# KiCad board Bus_Card.kicad_pcb (continued)
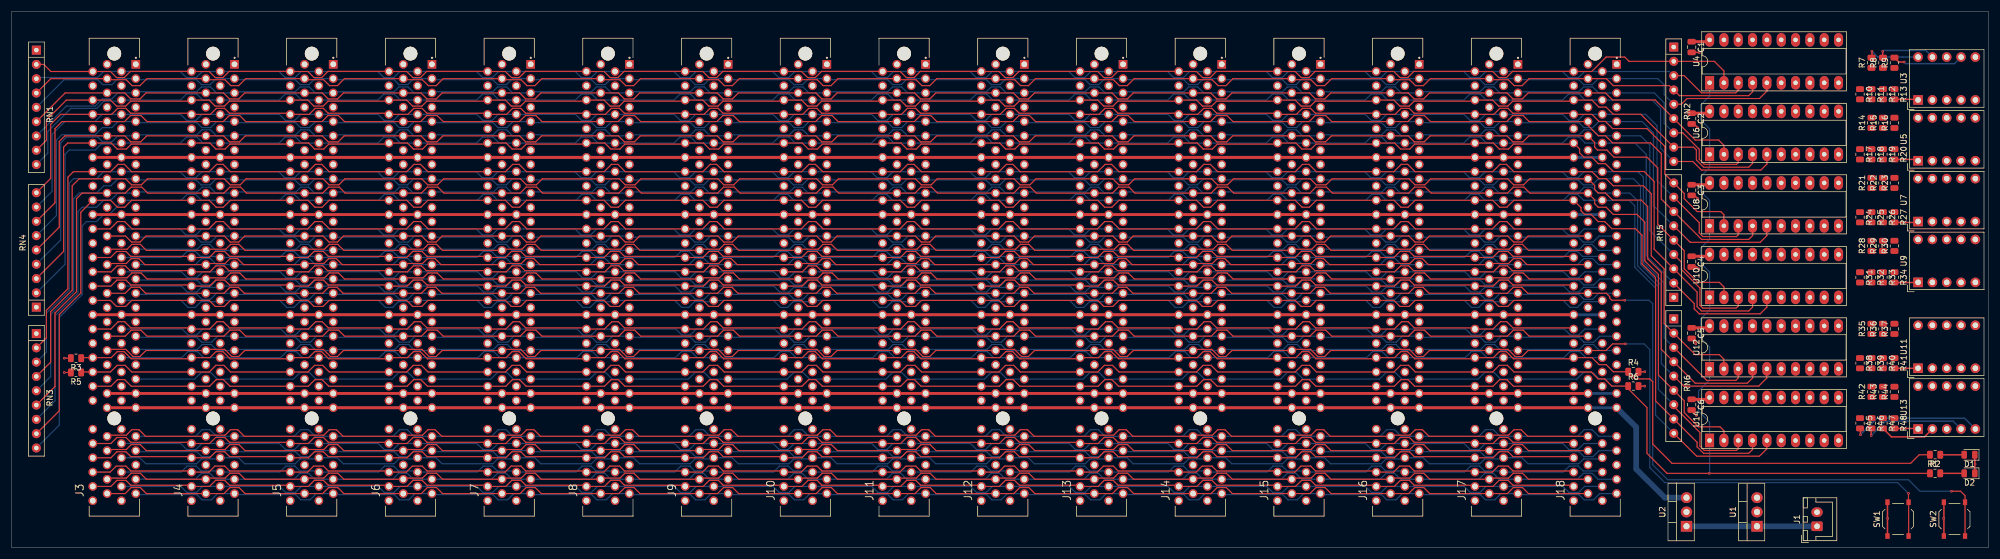
[diagram p0: board, top side]
## Routing (per net, layer and track width the routed paths; a pad name or vN(x,y) marks a point on that pad's centre or on a via; arc(x,y) is an arc through that point) (continued)
/D0: length 370.4
  Top w0.2: RN3.2 6.22,37.27 6.22,42.16 10.03,45.97 10.03,65.79 11.02,66.77 J3.B16 17.59,66.77 18.89,68.07 20.03,68.07 21.33,66.77 J4.B16 35.09,66.77 36.39,68.07 37.53,68.07 38.83,66.77 J5.B16 52.59,66.77 53.89,68.07 55.03,68.07 56.33,66.77 J6.B16 70.09,66.77 71.39,68.07 72.53,68.07 73.83,66.77 J7.B16 87.59,66.77 88.89,68.07 90.03,68.07 91.33,66.77 J8.B16 105.09,66.77 106.39,68.07 107.53,68.07 108.83,66.77 J9.B16 122.59,66.77 123.89,68.07 125.03,68.07 126.33,66.77 J10.B16 140.09,66.77 141.39,68.07 142.53,68.07 143.83,66.77 J11.B16 157.59,66.77 158.89,68.07 160.03,68.07 161.33,66.77 J12.B16 175.09,66.77 176.39,68.07 177.53,68.07 178.83,66.77 J13.B16 192.59,66.77 193.89,68.07 195.03,68.07 196.33,66.77 J14.B16 210.09,66.77 211.39,68.07 212.53,68.07 213.83,66.77 J15.B16 227.59,66.77 228.89,68.07 230.03,68.07 231.33,66.77 J16.B16 245.09,66.77 246.39,68.07 247.53,68.07 248.83,66.77 J17.B16 262.59,66.77 263.89,68.07 265.03,68.07 266.33,66.77 J18.B16 280.19,66.77 281.43,65.53 282.7,65.53 283.97,64.26 289.31,64.26 290.7,62.86 290.7,51.82 292.99,49.53 292.99,39.8 RN6.2 298.5,34.29 302.77,34.29 303.58,33.48 U12.2
/D1: length 375.8
  Top w0.2: RN6.3 300.53,29.72 305.69,29.72 306.12,30.15 U12.3
  Bottom w0.2: RN3.3 6.22,34.73 6.22,41.66 10.29,45.72 10.29,64.77 11.05,65.53 15.11,65.53 16.35,66.77 J3.A16 29.91,66.77 30.97,65.7 32.72,65.7 33.78,66.77 J4.A16 47.41,66.77 48.47,65.7 50.22,65.7 51.28,66.77 J5.A16 64.91,66.77 65.97,65.7 67.72,65.7 68.78,66.77 J6.A16 82.41,66.77 83.47,65.7 85.22,65.7 86.28,66.77 J7.A16 99.91,66.77 100.97,65.7 102.72,65.7 103.78,66.77 J8.A16 117.41,66.77 118.47,65.7 120.22,65.7 121.28,66.77 J9.A16 134.91,66.77 135.97,65.7 137.72,65.7 138.78,66.77 J10.A16 152.41,66.77 153.47,65.7 155.22,65.7 156.28,66.77 J11.A16 169.91,66.77 170.97,65.7 172.72,65.7 173.78,66.77 J12.A16 187.41,66.77 188.47,65.7 190.22,65.7 191.28,66.77 J13.A16 204.91,66.77 205.97,65.7 207.72,65.7 208.78,66.77 J14.A16 222.41,66.77 223.47,65.7 225.21,65.7 226.28,66.77 J15.A16 239.91,66.77 240.97,65.7 242.71,65.7 243.78,66.77 J16.A16 257.41,66.77 258.47,65.7 260.21,65.7 261.28,66.77 J17.A16 274.91,66.77 275.97,65.7 277.71,65.7 278.78,66.77 J18.A16 288.32,66.77 289.31,65.79 289.31,50.67 292.99,46.99 292.99,37.26 RN6.3
/D2: length 379
  Top w0.2: U12.4 308.66,30.15 307.72,29.21 298.5,29.21 RN6.4 292.48,35.23 292.48,48.89 290.07,51.31 290.07,60.58 288.93,61.72 283.85,61.72 282.57,62.99 281.31,62.99 280.67,63.63 280.67,64.32 J18.B17 269.13,65.5 268.06,64.43 266.32,64.43 265.25,65.5 J17.B17 251.63,65.5 250.56,64.43 248.82,64.43 247.75,65.5 J16.B17 234.13,65.5 233.06,64.43 231.32,64.43 230.25,65.5 J15.B17 216.63,65.5 215.56,64.43 213.82,64.43 212.75,65.5 J14.B17 199.13,65.5 198.06,64.43 196.32,64.43 195.25,65.5 J13.B17 181.63,65.5 180.56,64.43 178.82,64.43 177.75,65.5 J12.B17 164.13,65.5 163.06,64.43 161.32,64.43 160.25,65.5 J11.B17 146.63,65.5 145.56,64.43 143.82,64.43 142.75,65.5 J10.B17 129.13,65.5 128.06,64.43 126.32,64.43 125.25,65.5 J9.B17 111.63,65.5 110.56,64.43 108.82,64.43 107.75,65.5 J8.B17 94.13,65.5 93.06,64.43 91.32,64.43 90.25,65.5 J7.B17 76.63,65.5 75.56,64.43 73.82,64.43 72.76,65.5 J6.B17 59.13,65.5 58.06,64.43 56.32,64.43 55.26,65.5 J5.B17 41.63,65.5 40.56,64.43 38.82,64.43 37.76,65.5 J4.B17 24.13,65.5 23.06,64.43 21.32,64.43 20.26,65.5 J3.B17 12.03,65.5 10.8,64.26 10.8,45.72 6.98,41.91 6.98,32.95 RN3.4
/D3: length 385.5
  Top w0.2: U12.5 311.2,30.15 309.75,28.7 296.46,28.7 RN6.5
  Bottom w0.2: RN3.5 6.98,30.41 6.98,41.4 11.05,45.47 11.05,61.98 12.07,62.99 15.11,62.99 16.38,64.26 17.65,64.26 18.89,65.5 J3.A17 22.27,65.29 32.78,65.29 33.64,64.43 35.26,64.43 36.32,65.5 J4.A17 39.77,65.29 50.28,65.29 51.14,64.43 52.76,64.43 53.82,65.5 J5.A17 57.27,65.29 67.78,65.29 68.64,64.43 70.26,64.43 71.32,65.5 J6.A17 74.77,65.29 85.28,65.29 86.14,64.43 87.75,64.43 88.82,65.5 J7.A17 92.27,65.29 102.78,65.29 103.64,64.43 105.25,64.43 106.32,65.5 J8.A17 109.77,65.29 120.28,65.29 121.14,64.43 122.75,64.43 123.82,65.5 J9.A17 127.27,65.29 137.78,65.29 138.64,64.43 140.25,64.43 141.32,65.5 J10.A17 144.77,65.29 155.28,65.29 156.14,64.43 157.75,64.43 158.82,65.5 J11.A17 162.27,65.29 172.78,65.29 173.64,64.43 175.25,64.43 176.32,65.5 J12.A17 179.77,65.29 190.28,65.29 191.14,64.43 192.75,64.43 193.82,65.5 J13.A17 197.27,65.29 207.78,65.29 208.64,64.43 210.25,64.43 211.32,65.5 J14.A17 214.77,65.29 225.28,65.29 226.14,64.43 227.75,64.43 228.82,65.5 J15.A17 232.27,65.29 242.78,65.29 243.64,64.43 245.25,64.43 246.32,65.5 J16.A17 249.77,65.29 260.28,65.29 261.14,64.43 262.75,64.43 263.82,65.5 J17.A17 267.27,65.29 277.78,65.29 278.64,64.43 280.25,64.43 281.32,65.5 J18.A17 287.56,65.5 288.8,64.26 288.8,50.29 292.48,46.61 292.48,32.69 RN6.5
/D4: length 380.6
  Top w0.2: RN3.6 7.75,28.63 7.75,41.66 11.56,45.47 11.56,61.98 12.54,62.96 J3.B19 20.19,62.96 21.26,64.02 23.13,64.02 24.19,62.96 J4.B19 37.69,62.96 38.76,64.02 40.63,64.02 41.69,62.96 J5.B19 55.19,62.96 56.26,64.02 58.13,64.02 59.19,62.96 J6.B19 72.69,62.96 73.76,64.02 75.63,64.02 76.69,62.96 J7.B19 90.19,62.96 91.26,64.02 93.13,64.02 94.19,62.96 J8.B19 107.69,62.96 108.76,64.02 110.63,64.02 111.69,62.96 J9.B19 125.19,62.96 126.26,64.02 128.13,64.02 129.19,62.96 J10.B19 142.69,62.96 143.76,64.02 145.63,64.02 146.69,62.96 J11.B19 160.19,62.96 161.26,64.02 163.13,64.02 164.19,62.96 J12.B19 177.69,62.96 178.76,64.02 180.63,64.02 181.69,62.96 J13.B19 195.19,62.96 196.26,64.02 198.13,64.02 199.19,62.96 J14.B19 212.69,62.96 213.76,64.02 215.63,64.02 216.69,62.96 J15.B19 230.19,62.96 231.26,64.02 233.13,64.02 234.19,62.96 J16.B19 247.69,62.96 248.76,64.02 250.63,64.02 251.69,62.96 J17.B19 265.19,62.96 266.26,64.02 268.13,64.02 269.19,62.96 J18.B19 280.67,61.78 280.67,61.09 281.31,60.45 282.7,60.45 283.97,59.18 288.16,59.18 289.56,57.78 289.56,50.93 291.97,48.51 291.97,30.65 RN6.6 296.55,26.08 296.55,24 299.08,21.46 302.89,21.46 303.58,20.78 U14.2
/D5: length 388.4
  Top w0.2: U14.3 306.12,17.57 305.82,17.27 300.1,17.27 299.34,18.03 299.34,20.45 294.69,25.1 RN6.7
  Bottom w0.2: RN3.7 7.75,26.09 7.75,41.15 11.81,45.21 11.81,59.69 12.57,60.45 15.11,60.45 16.38,61.72 17.65,61.72 18.89,62.96 J3.A19 22.27,63.16 32.97,63.16 33.83,64.02 35.19,64.02 36.26,62.96 J4.A19 39.77,63.16 50.47,63.16 51.33,64.02 52.69,64.02 53.76,62.96 J5.A19 57.27,63.16 67.97,63.16 68.83,64.02 70.19,64.02 71.26,62.96 J6.A19 74.77,63.16 85.47,63.16 86.33,64.02 87.69,64.02 88.76,62.96 J7.A19 92.27,63.16 102.97,63.16 103.83,64.02 105.19,64.02 106.26,62.96 J8.A19 109.77,63.16 120.47,63.16 121.33,64.02 122.69,64.02 123.76,62.96 J9.A19 127.27,63.16 137.97,63.16 138.83,64.02 140.19,64.02 141.26,62.96 J10.A19 144.77,63.16 155.47,63.16 156.33,64.02 157.69,64.02 158.76,62.96 J11.A19 162.27,63.16 172.97,63.16 173.83,64.02 175.19,64.02 176.26,62.96 J12.A19 179.77,63.16 190.47,63.16 191.33,64.02 192.69,64.02 193.76,62.96 J13.A19 197.27,63.16 207.97,63.16 208.83,64.02 210.19,64.02 211.26,62.96 J14.A19 214.77,63.16 225.47,63.16 226.33,64.02 227.69,64.02 228.76,62.96 J15.A19 232.27,63.16 242.97,63.16 243.83,64.02 245.19,64.02 246.26,62.96 J16.A19 249.77,63.16 260.47,63.16 261.33,64.02 262.69,64.02 263.76,62.96 J17.A19 267.27,63.16 277.97,63.16 278.83,64.02 280.19,64.02 281.26,62.96 J18.A19 286.93,62.96 288.29,61.59 288.29,50.04 291.97,46.35 291.97,28.11 RN6.7
/D6: length 392.3
  Top w0.2: RN3.8 8.51,24.31 8.51,41.4 12.32,45.21 12.32,59.56 J3.B20 17.59,61.69 18.83,60.45 20.1,60.45 21.33,61.69 J4.B20 35.09,61.69 36.33,60.45 37.6,60.45 38.83,61.69 J5.B20 52.59,61.69 53.83,60.45 55.1,60.45 56.33,61.69 J6.B20 70.09,61.69 71.33,60.45 72.6,60.45 73.83,61.69 J7.B20 87.59,61.69 88.83,60.45 90.1,60.45 91.33,61.69 J8.B20 105.09,61.69 106.33,60.45 107.6,60.45 108.83,61.69 J9.B20 122.59,61.69 123.83,60.45 125.1,60.45 126.33,61.69 J10.B20 140.09,61.69 141.33,60.45 142.6,60.45 143.83,61.69 J11.B20 157.59,61.69 158.83,60.45 160.1,60.45 161.33,61.69 J12.B20 175.09,61.69 176.33,60.45 177.6,60.45 178.83,61.69 J13.B20 192.59,61.69 193.83,60.45 195.1,60.45 196.33,61.69 J14.B20 210.09,61.69 211.33,60.45 212.6,60.45 213.83,61.69 J15.B20 227.59,61.69 228.83,60.45 230.1,60.45 231.33,61.69 J16.B20 245.09,61.69 246.33,60.45 247.6,60.45 248.83,61.69 J17.B20 262.59,61.69 263.83,60.45 265.1,60.45 266.33,61.69 J18.B20 278.26,60.38 278.26,59.82 278.89,59.18 280.04,59.18 281.31,57.91 282.45,57.91 283.72,56.64 287.91,56.64 289.05,55.5 289.05,50.42 291.46,48.01 291.46,26.08 RN6.8 298.83,18.72 298.83,17.91 299.97,16.76 307.98,16.76 308.66,17.45 U14.4
/D7: length 397.2
  Top w0.2: U14.5 311.2,17.57 309.88,16.26 298.75,16.26 RN6.9
  Bottom w0.2: RN6.9 291.46,23.54 291.46,46.1 287.78,49.78 287.78,60.71 286.8,61.69 J18.A20 278.72,61.69 277.65,62.75 276.16,62.75 275.1,61.69 J17.A20 261.22,61.69 260.15,62.75 258.66,62.75 257.6,61.69 J16.A20 243.72,61.69 242.65,62.75 241.16,62.75 240.1,61.69 J15.A20 226.22,61.69 225.15,62.75 223.66,62.75 222.6,61.69 J14.A20 208.72,61.69 207.65,62.75 206.16,62.75 205.1,61.69 J13.A20 191.22,61.69 190.15,62.75 188.66,62.75 187.6,61.69 J12.A20 173.72,61.69 172.65,62.75 171.16,62.75 170.1,61.69 J11.A20 156.22,61.69 155.15,62.75 153.66,62.75 152.6,61.69 J10.A20 138.72,61.69 137.65,62.75 136.16,62.75 135.1,61.69 J9.A20 121.22,61.69 120.15,62.75 118.66,62.75 117.6,61.69 J8.A20 103.72,61.69 102.65,62.75 101.16,62.75 100.1,61.69 J7.A20 86.22,61.69 85.15,62.75 83.66,62.75 82.6,61.69 J6.A20 68.72,61.69 67.65,62.75 66.16,62.75 65.1,61.69 J5.A20 51.22,61.69 50.15,62.75 48.66,62.75 47.6,61.69 J4.A20 33.72,61.69 32.65,62.75 31.16,62.75 30.1,61.69 J3.A20 19.53,61.33 17.38,59.18 16.38,59.18 15.11,57.91 13.34,57.91 12.57,57.15 12.57,44.96 8.51,40.89 8.51,21.77 RN3.9
/E: length 277.1
  Bottom w0.2: J3.A45 32.51,29.94 33.69,31.11 35.34,31.11 36.51,29.94 J4.A45 50.01,29.94 51.19,31.11 52.84,31.11 54.01,29.94 J5.A45 67.51,29.94 68.69,31.11 70.34,31.11 71.51,29.94 J6.A45 85.01,29.94 86.19,31.11 87.84,31.11 89.01,29.94 J7.A45 102.51,29.94 103.69,31.11 105.34,31.11 106.51,29.94 J8.A45 120.01,29.94 121.19,31.11 122.84,31.11 124.01,29.94 J9.A45 137.51,29.94 138.69,31.11 140.34,31.11 141.51,29.94 J10.A45 155.01,29.94 156.19,31.11 157.84,31.11 159.01,29.94 J11.A45 172.51,29.94 173.69,31.11 175.34,31.11 176.51,29.94 J12.A45 190.01,29.94 191.19,31.11 192.84,31.11 194.01,29.94 J13.A45 207.51,29.94 208.69,31.11 210.34,31.11 211.51,29.94 J14.A45 225.01,29.94 226.19,31.11 227.84,31.11 229.01,29.94 J15.A45 242.51,29.94 243.69,31.11 245.34,31.11 246.51,29.94 J16.A45 260.01,29.94 261.19,31.11 262.84,31.11 264.01,29.94 J17.A45 277.51,29.94 278.69,31.11 280.34,31.11 281.51,29.94 J18.A45
/M/X: length 277.1
  Top w0.2: J18.B46 266.27,28.67 265.1,29.84 263.83,29.84 262.65,28.67 J17.B46 248.77,28.67 247.6,29.84 246.33,29.84 245.15,28.67 J16.B46 231.27,28.67 230.1,29.84 228.83,29.84 227.65,28.67 J15.B46 213.77,28.67 212.6,29.84 211.33,29.84 210.15,28.67 J14.B46 196.27,28.67 195.1,29.84 193.83,29.84 192.65,28.67 J13.B46 178.77,28.67 177.6,29.84 176.33,29.84 175.15,28.67 J12.B46 161.27,28.67 160.1,29.84 158.83,29.84 157.65,28.67 J11.B46 143.77,28.67 142.6,29.84 141.33,29.84 140.15,28.67 J10.B46 126.27,28.67 125.1,29.84 123.83,29.84 122.65,28.67 J9.B46 108.77,28.67 107.6,29.84 106.33,29.84 105.15,28.67 J8.B46 91.27,28.67 90.1,29.84 88.83,29.84 87.65,28.67 J7.B46 73.77,28.67 72.6,29.84 71.33,29.84 70.15,28.67 J6.B46 56.27,28.67 55.1,29.84 53.83,29.84 52.65,28.67 J5.B46 38.77,28.67 37.6,29.84 36.33,29.84 35.15,28.67 J4.B46 21.27,28.67 20.1,29.84 18.83,29.84 17.65,28.67 J3.B46
/P2/VDA: length 275.7
  Bottom w0.2: J18.A39 281.57,37.56 280.51,36.49 278.77,36.49 277.9,37.36 267.26,37.36 J17.A39 264.07,37.56 263.01,36.49 261.27,36.49 260.4,37.36 249.76,37.36 J16.A39 246.57,37.56 245.51,36.49 243.77,36.49 242.9,37.36 232.26,37.36 J15.A39 229.07,37.56 228.01,36.49 226.27,36.49 225.4,37.36 214.76,37.36 J14.A39 211.57,37.56 210.51,36.49 208.77,36.49 207.9,37.36 197.26,37.36 J13.A39 194.07,37.56 193.01,36.49 191.27,36.49 190.4,37.36 179.76,37.36 J12.A39 176.57,37.56 175.51,36.49 173.77,36.49 172.9,37.36 162.26,37.36 J11.A39 159.07,37.56 158.01,36.49 156.27,36.49 155.4,37.36 144.76,37.36 J10.A39 141.57,37.56 140.51,36.49 138.77,36.49 137.9,37.36 127.26,37.36 J9.A39 124.07,37.56 123.01,36.49 121.27,36.49 120.4,37.36 109.76,37.36 J8.A39 106.57,37.56 105.51,36.49 103.77,36.49 102.9,37.36 92.26,37.36 J7.A39 89.07,37.56 88.01,36.49 86.27,36.49 85.4,37.36 74.76,37.36 J6.A39 71.57,37.56 70.51,36.49 68.77,36.49 67.9,37.36 57.26,37.36 J5.A39 54.07,37.56 53.01,36.49 51.27,36.49 50.4,37.36 39.76,37.36 J4.A39 36.57,37.56 35.51,36.49 33.77,36.49 32.9,37.36 22.26,37.36 J3.A39
/PAGE: length 275.7
  Top w0.2: J18.B34 266.33,43.91 265.27,42.84 263.65,42.84 262.59,43.91 J17.B34 248.83,43.91 247.77,42.84 246.15,42.84 245.09,43.91 J16.B34 231.33,43.91 230.27,42.84 228.65,42.84 227.59,43.91 J15.B34 213.83,43.91 212.77,42.84 211.15,42.84 210.09,43.91 J14.B34 196.33,43.91 195.27,42.84 193.65,42.84 192.59,43.91 J13.B34 178.83,43.91 177.77,42.84 176.15,42.84 175.09,43.91 J12.B34 161.33,43.91 160.27,42.84 158.65,42.84 157.59,43.91 J11.B34 143.83,43.91 142.77,42.84 141.15,42.84 140.09,43.91 J10.B34 126.33,43.91 125.27,42.84 123.65,42.84 122.59,43.91 J9.B34 108.83,43.91 107.77,42.84 106.15,42.84 105.09,43.91 J8.B34 91.33,43.91 90.27,42.84 88.65,42.84 87.59,43.91 J7.B34 73.83,43.91 72.77,42.84 71.15,42.84 70.09,43.91 J6.B34 56.33,43.91 55.27,42.84 53.65,42.84 52.59,43.91 J5.B34 38.83,43.91 37.77,42.84 36.15,42.84 35.09,43.91 J4.B34 21.33,43.91 20.27,42.84 18.65,42.84 17.59,43.91 J3.B34
/R/~{W}: length 358.3
  Top w0.2: R1.1 338.2,16.51 336.68,14.99 294.39,14.99 290.96,18.41 290.96,29.46 290.45,29.97 287.78,29.97 286.62,31.14 R4.1 283.97,31.24 282.7,32.51 281.43,32.51 280.19,33.75 J18.B42 276.75,33.55 266.27,33.55 265.01,34.81 263.78,34.81 262.71,33.75 J17.B42 259.25,33.55 248.77,33.55 247.51,34.81 246.28,34.81 245.21,33.75 J16.B42 241.75,33.55 231.27,33.55 230.01,34.81 228.78,34.81 227.71,33.75 J15.B42 224.25,33.55 213.77,33.55 212.51,34.81 211.28,34.81 210.22,33.75 J14.B42 206.75,33.55 196.27,33.55 195.01,34.81 193.78,34.81 192.72,33.75 J13.B42 189.25,33.55 178.77,33.55 177.51,34.81 176.28,34.81 175.22,33.75 J12.B42 171.75,33.55 161.27,33.55 160.01,34.81 158.78,34.81 157.72,33.75 J11.B42 154.25,33.55 143.77,33.55 142.51,34.81 141.28,34.81 140.22,33.75 J10.B42 136.75,33.55 126.27,33.55 125.01,34.81 123.78,34.81 122.72,33.75 J9.B42 119.25,33.55 108.77,33.55 107.51,34.81 106.28,34.81 105.22,33.75 J8.B42 101.75,33.55 91.27,33.55 90.01,34.81 88.78,34.81 87.72,33.75 J7.B42 84.25,33.55 73.77,33.55 72.51,34.81 71.28,34.81 70.22,33.75 J6.B42 66.75,33.55 56.27,33.55 55.01,34.81 53.78,34.81 52.72,33.75 J5.B42 49.25,33.55 38.77,33.55 37.51,34.81 36.28,34.81 35.22,33.75 J4.B42 31.75,33.55 21.27,33.55 20.01,34.81 18.78,34.81 17.72,33.75 J3.B42 12.48,33.75 R3.1
/RAM_0: length 277.1
  Bottom w0.2: J3.A53 32.64,19.78 33.81,20.95 35.21,20.95 36.38,19.78 J4.A53 50.14,19.78 51.31,20.95 52.71,20.95 53.88,19.78 J5.A53 67.64,19.78 68.81,20.95 70.21,20.95 71.38,19.78 J6.A53 85.14,19.78 86.31,20.95 87.71,20.95 88.88,19.78 J7.A53 102.64,19.78 103.81,20.95 105.21,20.95 106.38,19.78 J8.A53 120.14,19.78 121.31,20.95 122.71,20.95 123.88,19.78 J9.A53 137.64,19.78 138.81,20.95 140.21,20.95 141.38,19.78 J10.A53 155.14,19.78 156.31,20.95 157.71,20.95 158.88,19.78 J11.A53 172.64,19.78 173.81,20.95 175.21,20.95 176.38,19.78 J12.A53 190.14,19.78 191.31,20.95 192.71,20.95 193.88,19.78 J13.A53 207.64,19.78 208.81,20.95 210.21,20.95 211.38,19.78 J14.A53 225.14,19.78 226.31,20.95 227.71,20.95 228.88,19.78 J15.A53 242.64,19.78 243.81,20.95 245.21,20.95 246.38,19.78 J16.A53 260.14,19.78 261.31,20.95 262.71,20.95 263.88,19.78 J17.A53 277.64,19.78 278.81,20.95 280.21,20.95 281.38,19.78 J18.A53
/RAM_1: length 275.7
  Bottom w0.2: J18.A54 278.78,18.51 277.71,17.44 276.1,17.44 275.03,18.51 J17.A54 261.28,18.51 260.21,17.44 258.6,17.44 257.53,18.51 J16.A54 243.78,18.51 242.71,17.44 241.1,17.44 240.03,18.51 J15.A54 226.28,18.51 225.21,17.44 223.6,17.44 222.53,18.51 J14.A54 208.78,18.51 207.72,17.44 206.1,17.44 205.03,18.51 J13.A54 191.28,18.51 190.22,17.44 188.6,17.44 187.53,18.51 J12.A54 173.78,18.51 172.72,17.44 171.1,17.44 170.03,18.51 J11.A54 156.28,18.51 155.22,17.44 153.6,17.44 152.53,18.51 J10.A54 138.78,18.51 137.72,17.44 136.1,17.44 135.03,18.51 J9.A54 121.28,18.51 120.22,17.44 118.6,17.44 117.53,18.51 J8.A54 103.78,18.51 102.72,17.44 101.1,17.44 100.03,18.51 J7.A54 86.28,18.51 85.22,17.44 83.6,17.44 82.53,18.51 J6.A54 68.78,18.51 67.72,17.44 66.1,17.44 65.03,18.51 J5.A54 51.28,18.51 50.22,17.44 48.6,17.44 47.53,18.51 J4.A54 33.78,18.51 32.72,17.44 31.1,17.44 30.03,18.51 J3.A54
/RAM_2: length 275.7
  Bottom w0.2: J3.A55 22.26,17.04 32.9,17.04 33.77,16.17 35.38,16.17 36.45,17.24 J4.A55 39.76,17.04 50.4,17.04 51.27,16.17 52.88,16.17 53.95,17.24 J5.A55 57.26,17.04 67.9,17.04 68.77,16.17 70.38,16.17 71.45,17.24 J6.A55 74.76,17.04 85.4,17.04 86.27,16.17 87.88,16.17 88.95,17.24 J7.A55 92.26,17.04 102.9,17.04 103.77,16.17 105.38,16.17 106.45,17.24 J8.A55 109.76,17.04 120.4,17.04 121.27,16.17 122.88,16.17 123.95,17.24 J9.A55 127.26,17.04 137.9,17.04 138.77,16.17 140.38,16.17 141.45,17.24 J10.A55 144.76,17.04 155.4,17.04 156.27,16.17 157.88,16.17 158.95,17.24 J11.A55 162.26,17.04 172.9,17.04 173.77,16.17 175.38,16.17 176.45,17.24 J12.A55 179.76,17.04 190.4,17.04 191.27,16.17 192.88,16.17 193.95,17.24 J13.A55 197.26,17.04 207.9,17.04 208.77,16.17 210.38,16.17 211.45,17.24 J14.A55 214.76,17.04 225.4,17.04 226.27,16.17 227.88,16.17 228.95,17.24 J15.A55 232.26,17.04 242.9,17.04 243.77,16.17 245.38,16.17 246.45,17.24 J16.A55 249.76,17.04 260.4,17.04 261.27,16.17 262.88,16.17 263.95,17.24 J17.A55 267.26,17.04 277.9,17.04 278.77,16.17 280.38,16.17 281.45,17.24 J18.A55
/RAM_3: length 275.7
  Bottom w0.2: J3.A56 22.8,15.97 23.86,14.9 32.84,14.9 33.71,15.77 36.83,15.77 J4.A56 40.3,15.97 41.36,14.9 50.34,14.9 51.21,15.77 54.33,15.77 J5.A56 57.8,15.97 58.86,14.9 67.84,14.9 68.71,15.77 71.83,15.77 J6.A56 75.3,15.97 76.36,14.9 85.34,14.9 86.21,15.77 89.33,15.77 J7.A56 92.8,15.97 93.86,14.9 102.84,14.9 103.71,15.77 106.83,15.77 J8.A56 110.3,15.97 111.36,14.9 120.34,14.9 121.21,15.77 124.33,15.77 J9.A56 127.8,15.97 128.86,14.9 137.84,14.9 138.71,15.77 141.83,15.77 J10.A56 145.3,15.97 146.36,14.9 155.34,14.9 156.21,15.77 159.33,15.77 J11.A56 162.8,15.97 163.86,14.9 172.84,14.9 173.71,15.77 176.83,15.77 J12.A56 180.3,15.97 181.36,14.9 190.34,14.9 191.21,15.77 194.33,15.77 J13.A56 197.8,15.97 198.86,14.9 207.84,14.9 208.71,15.77 211.83,15.77 J14.A56 215.3,15.97 216.36,14.9 225.34,14.9 226.21,15.77 229.33,15.77 J15.A56 232.8,15.97 233.86,14.9 242.84,14.9 243.71,15.77 246.83,15.77 J16.A56 250.3,15.97 251.36,14.9 260.34,14.9 261.21,15.77 264.33,15.77 J17.A56 267.8,15.97 268.86,14.9 277.84,14.9 278.71,15.77 281.83,15.77 J18.A56
/RAM_4: length 275.7
  Bottom w0.2: J3.A58 30.1,13.43 31.16,14.49 32.78,14.49 33.64,13.63 36.82,13.63 J4.A58 47.6,13.43 48.66,14.49 50.28,14.49 51.14,13.63 54.32,13.63 J5.A58 65.1,13.43 66.16,14.49 67.78,14.49 68.64,13.63 71.82,13.63 J6.A58 82.6,13.43 83.66,14.49 85.28,14.49 86.14,13.63 89.32,13.63 J7.A58 100.1,13.43 101.16,14.49 102.78,14.49 103.64,13.63 106.82,13.63 J8.A58 117.6,13.43 118.66,14.49 120.28,14.49 121.14,13.63 124.32,13.63 J9.A58 135.1,13.43 136.16,14.49 137.78,14.49 138.64,13.63 141.82,13.63 J10.A58 152.6,13.43 153.66,14.49 155.28,14.49 156.14,13.63 159.32,13.63 J11.A58 170.1,13.43 171.16,14.49 172.78,14.49 173.64,13.63 176.82,13.63 J12.A58 187.6,13.43 188.66,14.49 190.28,14.49 191.14,13.63 194.32,13.63 J13.A58 205.1,13.43 206.16,14.49 207.78,14.49 208.64,13.63 211.82,13.63 J14.A58 222.6,13.43 223.66,14.49 225.28,14.49 226.14,13.63 229.32,13.63 J15.A58 240.1,13.43 241.16,14.49 242.78,14.49 243.64,13.63 246.82,13.63 J16.A58 257.6,13.43 258.66,14.49 260.28,14.49 261.14,13.63 264.32,13.63 J17.A58 275.1,13.43 276.16,14.49 277.78,14.49 278.64,13.63 281.82,13.63 J18.A58
/RAM_5: length 275.7
  Bottom w0.2: J18.A59 281.26,12.16 280.19,13.22 278.7,13.22 277.64,12.16 J17.A59 263.76,12.16 262.69,13.22 261.2,13.22 260.14,12.16 J16.A59 246.26,12.16 245.19,13.22 243.7,13.22 242.64,12.16 J15.A59 228.76,12.16 227.69,13.22 226.2,13.22 225.14,12.16 J14.A59 211.26,12.16 210.19,13.22 208.7,13.22 207.64,12.16 J13.A59 193.76,12.16 192.69,13.22 191.2,13.22 190.14,12.16 J12.A59 176.26,12.16 175.19,13.22 173.7,13.22 172.64,12.16 J11.A59 158.76,12.16 157.69,13.22 156.2,13.22 155.14,12.16 J10.A59 141.26,12.16 140.19,13.22 138.7,13.22 137.64,12.16 J9.A59 123.76,12.16 122.69,13.22 121.2,13.22 120.14,12.16 J8.A59 106.26,12.16 105.19,13.22 103.7,13.22 102.64,12.16 J7.A59 88.76,12.16 87.69,13.22 86.2,13.22 85.14,12.16 J6.A59 71.26,12.16 70.19,13.22 68.7,13.22 67.64,12.16 J5.A59 53.76,12.16 52.69,13.22 51.2,13.22 50.14,12.16 J4.A59 36.26,12.16 35.19,13.22 33.7,13.22 32.64,12.16 J3.A59
/RAM_6: length 275.7
  Bottom w0.2: J3.A60 30.03,10.89 31.1,9.82 32.84,9.82 33.91,10.89 J4.A60 47.53,10.89 48.6,9.82 50.34,9.82 51.41,10.89 J5.A60 65.03,10.89 66.1,9.82 67.84,9.82 68.91,10.89 J6.A60 82.53,10.89 83.6,9.82 85.34,9.82 86.41,10.89 J7.A60 100.03,10.89 101.1,9.82 102.84,9.82 103.91,10.89 J8.A60 117.53,10.89 118.6,9.82 120.34,9.82 121.41,10.89 J9.A60 135.03,10.89 136.1,9.82 137.84,9.82 138.91,10.89 J10.A60 152.53,10.89 153.6,9.82 155.34,9.82 156.41,10.89 J11.A60 170.03,10.89 171.1,9.82 172.84,9.82 173.91,10.89 J12.A60 187.53,10.89 188.6,9.82 190.34,9.82 191.41,10.89 J13.A60 205.03,10.89 206.1,9.82 207.84,9.82 208.91,10.89 J14.A60 222.53,10.89 223.6,9.82 225.34,9.82 226.41,10.89 J15.A60 240.03,10.89 241.1,9.82 242.84,9.82 243.91,10.89 J16.A60 257.53,10.89 258.6,9.82 260.34,9.82 261.41,10.89 J17.A60 275.03,10.89 276.1,9.82 277.84,9.82 278.91,10.89 J18.A60
/RAM_7: length 276.3
  Bottom w0.2: J18.A61 281.57,9.62 280.46,8.51 278.81,8.51 277.9,9.42 267.26,9.42 J17.A61 264.07,9.62 262.96,8.51 261.31,8.51 260.4,9.42 249.76,9.42 J16.A61 246.57,9.62 245.46,8.51 243.81,8.51 242.9,9.42 232.26,9.42 J15.A61 229.07,9.62 227.96,8.51 226.31,8.51 225.4,9.42 214.76,9.42 J14.A61 211.57,9.62 210.46,8.51 208.81,8.51 207.9,9.42 197.26,9.42 J13.A61 194.07,9.62 192.96,8.51 191.31,8.51 190.4,9.42 179.76,9.42 J12.A61 176.57,9.62 175.46,8.51 173.81,8.51 172.9,9.42 162.26,9.42 J11.A61 159.07,9.62 157.96,8.51 156.31,8.51 155.4,9.42 144.76,9.42 J10.A61 141.57,9.62 140.46,8.51 138.81,8.51 137.9,9.42 127.26,9.42 J9.A61 124.07,9.62 122.96,8.51 121.31,8.51 120.4,9.42 109.76,9.42 J8.A61 106.57,9.62 105.46,8.51 103.81,8.51 102.9,9.42 92.26,9.42 J7.A61 89.07,9.62 87.96,8.51 86.31,8.51 85.4,9.42 74.76,9.42 J6.A61 71.57,9.62 70.46,8.51 68.81,8.51 67.9,9.42 57.26,9.42 J5.A61 54.07,9.62 52.96,8.51 51.31,8.51 50.4,9.42 39.76,9.42 J4.A61 36.57,9.62 35.46,8.51 33.81,8.51 32.9,9.42 22.26,9.42 J3.A61
/ROM_0: length 277.1
  Top w0.2: J3.B53 17.19,19.98 20.4,19.98 21.37,20.95 22.64,20.95 23.81,19.78 J4.B53 34.69,19.98 37.9,19.98 38.87,20.95 40.14,20.95 41.31,19.78 J5.B53 52.19,19.98 55.4,19.98 56.37,20.95 57.64,20.95 58.81,19.78 J6.B53 69.69,19.98 72.9,19.98 73.87,20.95 75.14,20.95 76.31,19.78 J7.B53 87.19,19.98 90.4,19.98 91.37,20.95 92.64,20.95 93.81,19.78 J8.B53 104.69,19.98 107.9,19.98 108.87,20.95 110.14,20.95 111.31,19.78 J9.B53 122.19,19.98 125.4,19.98 126.37,20.95 127.64,20.95 128.81,19.78 J10.B53 139.69,19.98 142.9,19.98 143.87,20.95 145.14,20.95 146.31,19.78 J11.B53 157.19,19.98 160.4,19.98 161.37,20.95 162.64,20.95 163.81,19.78 J12.B53 174.69,19.98 177.9,19.98 178.87,20.95 180.14,20.95 181.31,19.78 J13.B53 192.19,19.98 195.4,19.98 196.37,20.95 197.64,20.95 198.81,19.78 J14.B53 209.69,19.98 212.9,19.98 213.87,20.95 215.14,20.95 216.31,19.78 J15.B53 227.19,19.98 230.4,19.98 231.37,20.95 232.64,20.95 233.81,19.78 J16.B53 244.69,19.98 247.9,19.98 248.87,20.95 250.14,20.95 251.31,19.78 J17.B53 262.19,19.98 265.4,19.98 266.37,20.95 267.64,20.95 268.81,19.78 J18.B53
/ROM_1: length 275.7
  Top w0.2: J3.B54 17.65,18.51 18.72,19.57 20.33,19.57 21.19,18.71 31.74,18.71 J4.B54 35.15,18.51 36.22,19.57 37.83,19.57 38.69,18.71 49.24,18.71 J5.B54 52.65,18.51 53.72,19.57 55.33,19.57 56.19,18.71 66.74,18.71 J6.B54 70.15,18.51 71.22,19.57 72.83,19.57 73.69,18.71 84.24,18.71 J7.B54 87.65,18.51 88.72,19.57 90.33,19.57 91.19,18.71 101.74,18.71 J8.B54 105.15,18.51 106.22,19.57 107.83,19.57 108.69,18.71 119.24,18.71 J9.B54 122.65,18.51 123.72,19.57 125.33,19.57 126.19,18.71 136.74,18.71 J10.B54 140.15,18.51 141.22,19.57 142.83,19.57 143.69,18.71 154.24,18.71 J11.B54 157.65,18.51 158.72,19.57 160.33,19.57 161.19,18.71 171.74,18.71 J12.B54 175.15,18.51 176.22,19.57 177.83,19.57 178.69,18.71 189.24,18.71 J13.B54 192.65,18.51 193.72,19.57 195.33,19.57 196.19,18.71 206.74,18.71 J14.B54 210.15,18.51 211.22,19.57 212.83,19.57 213.69,18.71 224.24,18.71 J15.B54 227.65,18.51 228.72,19.57 230.33,19.57 231.19,18.71 241.74,18.71 J16.B54 245.15,18.51 246.22,19.57 247.83,19.57 248.69,18.71 259.24,18.71 J17.B54 262.65,18.51 263.72,19.57 265.33,19.57 266.19,18.71 276.74,18.71 J18.B54
/ROM_2: length 275.7
  Top w0.2: J3.B55 17.19,17.44 20.4,17.44 21.26,18.3 22.87,18.3 23.94,17.24 J4.B55 34.69,17.44 37.9,17.44 38.76,18.3 40.37,18.3 41.44,17.24 J5.B55 52.19,17.44 55.4,17.44 56.26,18.3 57.87,18.3 58.94,17.24 J6.B55 69.69,17.44 72.9,17.44 73.76,18.3 75.37,18.3 76.44,17.24 J7.B55 87.19,17.44 90.4,17.44 91.26,18.3 92.87,18.3 93.94,17.24 J8.B55 104.69,17.44 107.9,17.44 108.76,18.3 110.37,18.3 111.44,17.24 J9.B55 122.19,17.44 125.4,17.44 126.26,18.3 127.87,18.3 128.94,17.24 J10.B55 139.69,17.44 142.9,17.44 143.76,18.3 145.37,18.3 146.44,17.24 J11.B55 157.19,17.44 160.4,17.44 161.26,18.3 162.87,18.3 163.94,17.24 J12.B55 174.69,17.44 177.9,17.44 178.76,18.3 180.37,18.3 181.44,17.24 J13.B55 192.19,17.44 195.4,17.44 196.26,18.3 197.87,18.3 198.94,17.24 J14.B55 209.69,17.44 212.9,17.44 213.76,18.3 215.37,18.3 216.44,17.24 J15.B55 227.19,17.44 230.4,17.44 231.26,18.3 232.87,18.3 233.94,17.24 J16.B55 244.69,17.44 247.9,17.44 248.76,18.3 250.37,18.3 251.44,17.24 J17.B55 262.19,17.44 265.4,17.44 266.26,18.3 267.87,18.3 268.94,17.24 J18.B55